# Altium PCB Arduino-DUE-V03.ascii.PcbDoc (part 2 of 3)
Units mil, origin at the board's own origin, x right, y up, seen from the top; angles counter-clockwise.
Board outline 4000 x 2100 mil, 2 copper layers (Top, Bottom), stack 65.748 mil thick; 128 components, 163 nets, 632 pads, 387 vias.
Unrouted connection lines stored in the file: 4.
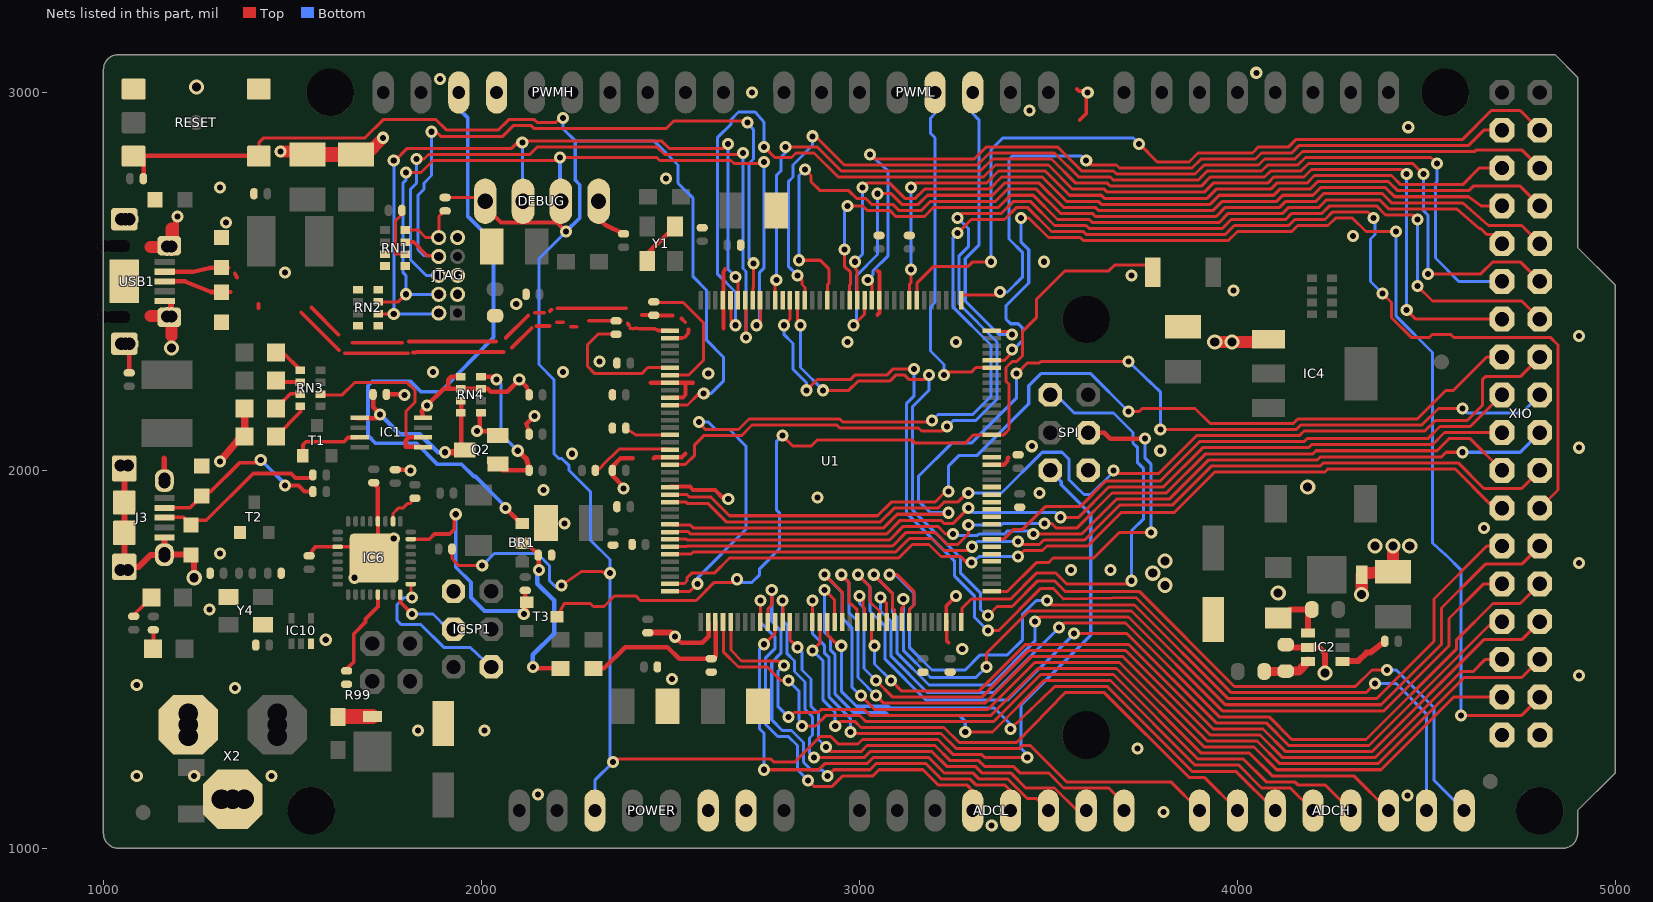
[diagram p2: the nets of this part, all layers, seen from the top]

## Via types
v1: diameter 32, hole 16, Top to Bottom, 323 vias
v2: diameter 40, hole 24, Top to Bottom, 64 vias

## Nets (pads, with @x,y where several pads share a name; then routed paths per layer and width w, separated by ;. In a path a pad name is that pad's centre, name@x,y a point inside that pad or via, vN(x,y) a via of type N, cw(c..) or ccw(c..) an arc to the next point about the centre after c; other vN are vias at no path point) (continued)
AD3: ADCL.4 U1.81 | length 1156.5
  Top w8: U1.81@2738,1600 2738,1655 v1(2738,1656) ; v1(2864,1180) 2880,1164 2928,1164 2956,1192 3036,1192 3052,1208 3168,1208 3208,1168 3284,1168 3300,1152 ADCL.4@3300,1100
  Bottom w8: v1(2738,1656) 2738,1598 2776,1560 2776,1528 2752,1504 2752,1328 2784,1296 2812,1296 2836,1272 2836,1208 v1(2864,1180)
AD4: ADCL.5 U1.82 | length 1274.9
  Top w8: U1.82@2758,1600 2758,1634 2768,1644 v1(2768,1684) ; v1(2916,1192) 2932,1208 3028,1208 3044,1224 3176,1224 3216,1184 3292,1184 3308,1168 3384,1168 3400,1152 ADCL.5@3400,1100 ADCL.5@3400,1096
  Bottom w8: v1(2768,1684) 2768,1600 2792,1576 2792,1516 2768,1492 2768,1340 2796,1312 2820,1312 2852,1280 2852,1228 2872,1208 2900,1208 v1(2916,1192)
AD5: ADCL.6 U1.83 | length 1237
  Top w8: v1(2748,1208) 2892,1208 2908,1224 3020,1224 3036,1240 3184,1240 3224,1200 3300,1200 3316,1184 3392,1184 3444,1132 3468,1132 ADCL.6@3500,1100 ; v1(2748,1540) 2776,1568 2776,1592 U1.83@2778,1600
  Bottom w8: v1(2748,1208) 2748,1304 2736,1316 2736,1528 v1(2748,1540)
AD6: ADCL.7 U1.84 | length 1304.5
  Top w8: v1(2797,1656) 2798,1654 U1.84@2798,1600 ; v1(2880,1240) 3012,1240 3028,1256 3192,1256 3232,1216 3308,1216 3324,1200 3400,1200 3440,1160 3516,1160 3576,1100 ADCL.7@3600,1100
  Bottom w8: v1(2797,1656) 2797,1603 2808,1592 2808,1516 2828,1496 2828,1468 2856,1440 2856,1368 2876,1348 2876,1300 2868,1292 2868,1252 v1(2880,1240)
AD7: ADCL.8 U1.85 | length 1254.4
  Top w8: U1.85@2817,1600 2816,1592 2816,1552 2834,1534 v1(2836,1532) ; v1(2912,1268) 2924,1256 3004,1256 3020,1272 3200,1272 3240,1232 3316,1232 3332,1216 3408,1216 3424,1200 3500,1200 3540,1160 3660,1160 3700,1120 ADCL.8@3700,1100
  Bottom w8: v1(2836,1532) 2848,1520 2848,1472 2872,1448 2872,1376 2892,1356 2892,1288 v1(2912,1268)
AD8: ADCH.1 U1.88 | length 1462.2
  Top w8: U1.88@2876,1600 2876,1652 v1(2876,1656) ; v1(2976,1308) 2980,1304 3216,1304 3256,1264 3424,1264 3432,1272 3452,1272 3548,1176 3824,1176 ADCH.1@3900,1100
  Bottom w8: v1(2876,1656) 2876,1568 2908,1536 2908,1516 2920,1504 2920,1400 2976,1344 v1(2976,1308)
AD9: ADCH.2 U1.89 | length 1592.1
  Top w8: U1.89@2896,1600 2896,1592 2896,1546 2896,1544 v1@2880,1528 ; v1(2936,1324) 2948,1336 2988,1336 3004,1320 3224,1320 3264,1280 3416,1280 3544,1412 3648,1412 3872,1188 3912,1188 ADCH.2@4000,1100 ; v1@2880,1528 v1(2876,1524) v1@2880,1528
  Bottom w8: v1(2876,1524) 2904,1496 2904,1392 2936,1360 v1(2936,1324)
AD10: ADCH.3 U1.90 | length 1581.2
  Top w8: U1.90@2916,1600 2916,1564 2944,1536 v1(2952,1536) ; v1(3400,1316) 3516,1428 3656,1428 3880,1204 3996,1204 ADCH.3@4100,1100
  Bottom w8: v1(2952,1536) 2952,1416 2992,1376 3076,1376 3080,1372 3356,1372 3400,1328 v1(3400,1316)
AD11(TXD3): ADCH.4 U1.91 | length 1903.2
  Top w8: v1(2908,1684) 2934,1658 2934,1602 U1.91@2935,1600 ; v1(3280,1308) 3352,1308 3488,1444 3664,1444 3888,1220 4004,1220 4064,1160 4140,1160 ADCH.4@4200,1100
  Bottom w8: v1(2908,1684) 2908,1572 2924,1556 2924,1524 2936,1512 2936,1408 2984,1360 3068,1360 3076,1352 3264,1352 3280,1336 v1(3280,1308)
AD14(RXD3): U1.92 XIO.33 | length 2463.6
  Top w8: v1(2908,1724) 2955,1678 U1.92@2955,1600 ; v1(3004,1404) 3040,1368 3340,1368 3464,1492 3688,1492 3912,1268 4044,1268 4104,1208 4380,1208 4572,1400 XIO.33@4700.03,1400
  Bottom w8: v1(2908,1724) 2954,1678 2954,1610 2980,1584 2980,1426 v1(3004,1404)
AREF: BR1.1 PWMH.8 | length 1732.4
  Top w12: v1(2064,1900) 2100,1864 BR1.1@2108,1860
  Bottom w10: PWMH.8@1940,2999.96 1940,2956 1964,2932 1964,2672 2032,2604 2032,2352 1892,2208 1840,2208 1812,2236 1712,2236 1700,2224 1700,2092 1720,2072 1828,2072 1884,2016 1948,2016 1980,1984 1984,1984 2056,1912 v1(2064,1900)
AVREF: C19.2 L3.2 U1.75 | length 453.2
  Top w8: C19.2@2607.99,1502 2616,1504 C19.2@2620,1508
  Top w11: C19.2@2620,1508 U1.75@2620,1600
  Top w12: L3.2@2296,1476 2324,1476 2380,1532 2492,1532 2523,1502 C19.2@2607.99,1502
AVREFL: BR1.2 C34.2 JR1.2 L3.1 | length 486.6
  Top w12: JR1.2@2107.99,1802 2108,1809 2119,1809 2151,1776 2151,1731 v1(2152,1736) ; v1(2136,1480) 2140,1476 L3.1@2209,1476
  Bottom w12: v1(2136,1480) 2136,1512 2192,1568 2192,1656 2148,1700 2148,1720 v1(2152,1736)
BD+: J3.P3 R20.2 Z4.2 | length 471
  Top w10: J3.P3@1161,1875 1162,1876 1212,1876 Z4.2@1231.99,1856 1236,1868 1272,1868 1396,1992 1496,1992 1508,1980 1547,1980 R20.2@1555,1988
BD-: J3.P2 R19.2 Z3.2 | length 495.3
  Top w10: J3.P2@1161,1901 1229,1901 1260,1933 1257,1945 1258,1944 1284,1944 1360,2020 1408,2020 v1(1416,2028) ; v1(1480,1960) 1516,1960 1532,1944 R19.2@1555,1944
  Bottom w10: v1(1416,2028) 1480,1964 v1(1480,1960)
BOOST: C42.1 D3.C IC2.1 | length 163.9
  Top w16: D3.C@4108,1610 4130,1622 4140,1632 C42.1@4197,1632 4187,1626 IC2.1@4187,1570
CANRX0: ADCH.7 U1.24 | length 2989.1
  Top w8: v1(2800,2384) 2816,2400 2816,2448 U1.24@2817,2451 ; v1(2860,2212) 2888,2240 2976,2240 2988,2252 3072,2252 3088,2268 v1(3144,2268) ; v1(3340,1576) 3368,1576 3480,1688 3512,1688 3540,1660 3732,1664 3984,1412 4340,1412 v1(4364,1436)
  Bottom w8: v1(2800,2384) 2800,2360 2824,2336 2824,2268 2860,2232 v1(2860,2212) ; v1(3144,2268) 3144,2196 3124,2176 3124,1888 3252,1760 3252,1720 3304,1668 3304,1612 v1(3340,1576) ; v1(4364,1436) 4420,1436 4500,1356 ADCH.7@4500,1100
CANTX0: ADCH.8 U1.23 | length 3011.9
  Top w8: U1.23@2837,2451 2836,2451 2836,2392 v1(2844,2384) ; v1(2904,2212) 2972,2212 2996,2236 3080,2236 3096,2252 3120,2252 3132,2240 3172,2240 v1(3184,2252) ; v1(3340,1616) 3364,1640 3404,1640 3472,1708 3516,1708 3544,1680 3740,1680 3992,1428 4312,1428 4356,1472 v1(4396,1472)
  Bottom w8: v1(2844,2384) 2844,2272 v1(2904,2212) ; v1(3184,2252) 3184,2212 3140,2168 3140,1896 3268,1768 3268,1728 3320,1676 3320,1632 v1(3340,1616) ; v1(4396,1472) 4420,1472 4520,1372 4520,1180 ADCH.8@4600,1100
CANTX1/IO: U1.140 XIO.34 | length 3131.7
  Top w8: U1.140@3351,2291 3383,2291 3404,2312 v1(3404,2320) ; v1(3428,2668) 3448,2668 3500,2616 3584,2616 3592,2608 3976,2608 4000,2632 4144,2632 4160,2648 4240,2648 4260,2668 4304,2668 4340,2632 v1(4420,2632) ; v1(4592,1352) 4752,1352 XIO.34@4800.03,1400
  Bottom w8: v1(3404,2320) 3408,2320 3432,2344 3432,2376 3420,2388 3400,2388 3388,2400 3388,2436 3448,2496 3448,2584 3428,2604 v1(3428,2668) ; v1(4420,2632) 4420,2408 4516,2312 4516,1808 4552,1776 4592,1736 v1(4592,1352)
CMP: C31.2 IC1.5 Q2.3 RN4.3 RN4.4 | length 565.6
  Top w8: IC1.5@1672,2138 IC1.5@1679,2139 ; Q2.3@1952,2048 Q2.3@1957,2054
  Top w12: IC1.5@1672,2138 1722,2138 v1(1732,2148) 1714,2167 C31.2@1714,2201 ; RN4.3@1946,2185 1946,2153 1946,2048 Q2.3@1974,2048
  Top w16: v1(1904,2048) 1946,2048 Q2.3@1952,2048
  Bottom w12: v1(1732,2148) 1784,2096 1837,2096 1885,2048 v1(1904,2048)
D+: R6.1 U1.37 USB1.3 Z1.1 | length 1082.2
  Top w10: Z1.1@1312,2472 1336,2472 ; 1410,2430 1410,2440 ; 1523,2418 1623,2318 ; 1639,2310 1806,2310 ; 1818,2312 1826,2312 ; 1830,2313 2059,2313 ; 2081,2325 2133,2377 ; 2145,2382 2180,2382 ; 2200,2392 2216,2392 ; 2236,2380 2252,2380 ; 2284,2396 R6.1@2364,2396 ; R6.1@2354,2396 2356,2396 R6.1@2364,2396 ; R6.1@2370,2396 R6.1@2364,2396 ; 2387,2389 2390,2384 ; 2394,2376 2400,2375 ; 2406,2376 2412,2376 ; 2418,2375 2458,2375 2468,2371 2468,2370 ; 2469,2370 2494,2370 U1.37@2500,2370
  Top w12: USB1.3@1172,2500 USB1.3@1162,2500 1216,2500 1284,2472 Z1.1@1312,2472
D-: R5.1 U1.38 USB1.2 Z2.1 | length 1115.4
  Top w10: USB1.2@1162,2526 USB1.2@1176,2526 ; Z2.1@1304,2536 Z2.1@1312,2537 ; Z2.1@1312,2536 Z2.1@1331,2536 ; 1347,2521 1354,2510 ; 1550,2431 1622,2359 ; 1659,2338 1790,2338 ; 1808,2341 2039,2341 ; 2064,2350 2124,2410 ; 2142,2417 2166,2417 ; 2181,2422 2185,2425 ; 2201,2429 2383,2429 ; 2424,2411 R5.1@2455,2411 ; U1.38@2500,2350 2531,2350 ; 2506,2410 2456,2410 R5.1@2456,2411 ; 2529,2402 2539,2392 ; 2538,2352 2547,2363 ; 2548,2369 2548,2373 ; R5.1@2455,2411 R5.1@2456,2411 ; R5.1@2455,2411 2456,2408 R5.1@2456,2411
  Top w12: USB1.2@1166,2526 1176,2526 1238,2526 1284,2536 Z2.1@1312,2536 ; Z2.1@1312,2536 1312,2537 Z2.1@1312,2536
DAC0(CANRX1): ADCH.5 U1.76 | length 2093.3
  Top w8: U1.76@2640,1600 2640,1592 2640,1520 2680,1480 2756,1480 2792,1444 v1(2812,1444) ; v1(2848,1324) 2884,1324 2912,1352 3000,1352 3016,1336 3356,1336 3480,1460 3672,1460 3896,1236 4016,1236 4076,1176 4152,1176 4160,1168 4232,1168 ADCH.5@4300,1100 ADCH.5@4296,1104
  Bottom w8: v1(2812,1444) 2840,1416 2840,1340 v1(2848,1324)
DAC1: ADCH.6 U1.77 | length 2196.5
  Top w8: U1.77@2660,1600 2660,1525 2688,1496 2788,1496 v1(2800,1484) ; v1(2812,1348) 2816,1348 2828,1360 2892,1360 2900,1368 3012,1368 3028,1352 3348,1352 3472,1476 3680,1476 3904,1252 4032,1252 4092,1192 4308,1192 ADCH.6@4400,1100
  Bottom w8: v1(2800,1484) 2784,1468 2784,1376 v1(2812,1348)
DTR: IC6.13 R18.1 | length 237.6
  Top w10: R18.1@1643,1469 1642,1473 1662,1493 1662,1567 1693,1599 1693,1607 1726,1640 IC6.13@1726,1672
EEXTINT: U1.25
EMDC: U1.123
EMDIO: U1.127
EN: IC2.4 R10.2 | length 132.7
  Top w16: IC2.4@4278,1495 4279,1496 4320,1496 4342,1518 4352,1518 R10.2@4391,1548
ERASE_CMD: IC6.23 R99.1 T3.3 | length 630.2
  Top w8: v1(2112,1620) 2120,1628 T3.3@2119.99,1650.99
  Top w10: IC6.23@1813,1818 1862,1818 1876,1832 1916,1832 1928,1844 1928,1880 v1(1932,1884)
  Top w12: R99.1@2116,1683 2116,1655 T3.3@2119.99,1650.99
  Bottom w10: v1(1932,1884) 1932,1744 1972,1704 1972,1664 2008,1628 2104,1628 v1(2112,1620)
ERASE_S: ERASE.2 T3.1 U1.130 | length 2389.3
  Top w8: T3.1@2200,1613.01 2219,1648 2288,1648 2296,1640 2324,1640 2352,1668 2408,1668 2420,1656 2568,1656 2616,1704 2668,1704 v1(2676,1712) ; v1(2796,2092) 2824,2064 2872,2064 2888,2080 3140,2080 3148,2072 3280,2072 3302,2094 3351,2094 3382,2094 3396,2108 3396,2228 3388,2236 3388,2272 3404,2288 3416,2288 3432,2304 3432,2368 3468,2404 3468,2452 3544,2528 3660,2528 3676,2544 3756,2544 ERASE.2@3776,2523.99
  Bottom w8: v1(2676,1712) 2680,1712 2688,1704 2716,1704 2736,1724 2736,1740 2788,1792 2788,1888 2780,1896 2780,2076 v1(2796,2092)
ERX_DV: U1.119
ERX_ER: U1.122
ERXD0: U1.120
ERXD1: U1.121
ETX_CLK: U1.113
ETX_EN: U1.114
ETXD0: U1.115
ETXD1: U1.118
FB: IC2.3 R11.1 R12.2 | length 127.5
  Top w24: R12.2@4071,1468 4127,1468 R11.1@4128.01,1469 4162,1469 IC2.3@4187,1495
GATE_CMD: IC1.7 T1.3 | length 188.4
  Top w8: IC1.7@1672,2087 IC1.7@1679,2088
  Top w10: T1.3@1527.01,2038.99 1528,2040 1528,2068 1536,2076 1636,2076 1647,2087 IC1.7@1672,2087
GND: C1.- C2.- C3.- C4.1 C5.1 C6.1 C7.1 C8.1 C9.1 C10.1 C11.- C12.1 C13.1 C14.1 C15.1 C16.1 C17.1 C18.1 C19.1 C21.2 C22.2 C23.2 C24.2 C25.2 C26.2 C27.- C28.2 C29.- C30.1 C31.1 C32.1 C33.- C34.1 C35.- C36.2 C37.2 C38.2 C39.2 C40.2 C41.- D4.P$2 DEBUG.1 IC1.4 IC2.2 IC4.1 IC6.3 IC6.28 IC6.33 IC10.3 ICSP1.6 J3.P5 J3.P$1 J3.P$2 J3.P$3 J3.P$4 J3.P$5 J3.P$6 J3.P$7 J3.P$8 J3.S1 J3.S2 J3.S3 J3.S4 J3.S5 J3.S6 JTAG.3 JTAG.5 JTAG.9 L.C ON.C PC1.- PC2.- POWER.6 POWER.7 PWMH.7 Q2.2 R2.1 R7.1 R8.1 R11.2 R18.2 RESET.1 RESET.2 RN1.1 RN1.2 RN1.7 RN1.8 RN2.1 RN2.4 RN2.5 RN2.8 RN4.1 RN4.2 RN4.5 RN4.7 SPI.6 T2.3 U1.12 U1.33 U1.44 U1.46 U1.54 U1.58 U1.74 U1.106 U1.126 USB1.5 USB1.P$1 USB1.P$2 USB1.P$3 USB1.P$4 USB1.P$5 USB1.P$6 USB1.P$7 USB1.P$8 USB1.P$9 USB1.P$10 USB1.P$11 USB1.S1 USB1.S2 USB1.S3 USB1.S4 X2.1 X2.3 XIO.35 XIO.36 Y1.2 Y1.4 Y4.2 Y4.4 Z1.2 Z2.2 Z3.1 Z4.1 Z5.1 | length 5213.2
  Top w8: RESET.2@1408,3032 RESET.2@1411,3009 ; R2.1@1790,2688 1790,2678 1772,2660 1772,2572 1773,2573 RN1.2@1799,2573 ; U1.33@2640,2451 U1.33@2640,2456 ; v1@3248,1668 v1(3256,1668) ; U1.126@3351,2016 3352,2016 U1.126@3352,2015
  Top w10: USB1.P$10@1174,2406 1180,2409 USB1.P$10@1180,2408 ; C36.2@1543.99,1774 1560,1798 1620,1798 1691,1798 1696,1792 1696,1788 IC6.33@1716,1768 ; IC6.33@1726,1768 IC6.28@1726,1865 ; U1.46@2500,2193 2533,2193 2540,2200 2540,2232 ; U1.106@3231,1598 3231,1575 ; 3236,1544 3231,1550 3231,1575 ; v1(3256,1668) 3230,1642 3230,1574 3231,1575 ; 3575,3010 3580,3004 3596,3004 3600,3000 3600,2944 3583,2927
  Top w11: 2448,2232 2449,2232 2500,2232 2540,2232 2560,2232 ; 2456,2032 2459,2035 2500,2035 2531,2035 2540,2044 ; U1.58@2500,1957 2552,1957 2560,1948 2618,1948 ; U1.74@2601,1596 U1.74@2601,1600 ; 2640,2376 2640,2524 ; U1.33@2640,2451 2640,2505 2640,2524 ; 2644,2532 2640,2524 ; 3048,2412 3053,2417 3053,2451 3053,2524 3048,2528 ; U1.106@3231,1598 U1.106@3231,1600 ; U1.126@3344,2015 3352,2015 3382,2015 3392,2025 3392,2032 3394,2034
  Top w12: C28.2@1067.99,2258 USB1.P$5@1068,2330 ; C30.1@1715,1968 1726,1953 IC6.28@1726,1865 ; C31.1@1749,2201 1791,2201 v1(1796,2200) ; C38.2@1771.99,2002 1802,2002 v1(1812,2000) ; IC1.4@1846,2139 1842,2158 v1(1856,2172) 1900,2216 RN4.2@1946,2216 ; RN4.1@1946,2248 1920,2248 1912,2240 1912,2220 1916,2216 RN4.2@1946,2216 ; RN4.5@1999,2153 1997,2153 1996,2152 1996,2112 v1(1988,2104) 2035,2104 Q2.2@2044,2092 ; C23.2@2127,2096 2119,2123 v1(2140,2144) ; C24.2@2127,2200 2119,2222 v1(2100,2240) 2068,2208 2024,2208 2017,2216 1999,2216 RN4.2@1946,2216 ; DEBUG.1@2310,2712.03 2316,2718 2316,2660 2327,2650 C22.2@2375.99,2626 ; C15.1@2347,2000 2347,2011 2368,2032 2400,2032 ; C15.1@2348,2000 2347,1999 2347,1986 2376,1956 v1(2376,1952) ; Y1.2@2439,2555 2439,2573 Y1.4@2512,2646 ; v1(2512,1560) 2528,1544 2584,1544 2601,1561 U1.74@2601,1596 ; 2618,1948 2638,1928 v1(2653,1924)
  Top w14: 1160,2032 1161,2031 J3.S3@1161,1973
  Top w16: J3.S1@1055,2005 J3.S5@1055,1915 J3.S6@1055,1835 J3.S2@1055,1745 1093,1745 1124,1776 1160,1776 J3.S4@1161,1777 ; J3.P5@1161,1823 J3.S4@1161,1777 ; USB1.P$8@1176,2612 1192,2612 v1@1192,2672 ; USB1.P$10@1179,2420 USB1.5@1179,2448 ; v2(1240,1716) 1240,1764 1232,1777 J3.S4@1161,1777 ; RN2.5@1727,2384 RN2.5@1728,2384 ; C10.1@2440,1571 2502,1571 v1(2512,1560) ; R11.2@4127.99,1539 4135,1532 4187,1532 4216,1532 4232,1516 v2(4232,1464)
  Top w20: v1(1308,2024) 1354,2078 1374,2090 L.C@1374,2164 ; C1.-@2492,1376 C1.-@2504,1389 ; v1@2510,1563 v1(2512,1560)
  Top w24: USB1.P$8@1176,2612 1176,2640 1180,2640
  Top w32: 1124,2591 1180,2591 1180,2640 ; USB1.P$10@1168,2409 1124,2409 USB1.P$10@1180,2408 ; 1180,2356 USB1.P$10@1180,2408 ; USB1.P$10@1180,2412 USB1.P$10@1180,2408 ; v1(1468,2844) 1469,2844 C35.-@1537,2844 ; C27.-@1667.98,2836 1696,2836 v1(1740,2880) ; C29.-@3872,2388 3868,2392 C29.-@3855.98,2380 C29.-@3876,2368 ; v2(3940,2340) v2(3986,2340) 4080,2340 4080,2344 4081,2348 IC4.1@4082,2347 ; v2(4328,1672) 4329,1669 D4.P$2@4329,1724 4334,1728 C41.-@4411.98,1732 v2(4412,1800)
  Top w40: USB1.P$8@1180,2592 1180,2591 1180,2588 USB1.P$8@1184,2588 ; C35.-@1537,2844 C35.-@1539.98,2836 C27.-@1667.98,2836
  other v1: 3350,1060 3804,1096 4450,1140 2150,1142 1088,1192 1240,1192 1444,1192 3736,1264 1832,1312 2008,1312 1348,1424 1088,1432 2504,1448 4904,1457 3272,1528 1588,1552 1280,1632 1664,1716 3560,1736 3664,1736 4904,1755 1308,1780 1768,1820 4652,1848 2220,1860 2889,1928 3476,1940 2164,1948 2240,2044 3796,2052 4904,2060 3456,2064 2600,2256 1872,2260 2216,2260 2312,2288 2968,2340 3256,2340 4904,2356 2092,2440 3990,2476 3720,2516 1480,2524 3488,2552 4306,2620 1324,2656 1196,2672 1308,2748 2488,2772 4452,2908 3450,2952 2716,3000 3604,3000 1890,3036 4050,3052
  other v2: 4108,1676 3808,1696 3776,1728 3808,1760 4364,1800 4456,1800 4186,1956 1180,2324 1246,3014
JTAG_RESET: JTAG.10 R1.1 RN1.4 | length 176.9
  Top w8: RN1.4@1799,2636 1833,2636 1852,2616 JTAG.10@1886.98,2616 ; R1.1@1904,2687 1888,2672 JTAG.10@1888,2617 ; JTAG.10@1886.98,2616 1888,2616 JTAG.10@1888,2617 ; JTAG.10@1886.98,2616 JTAG.10@1888,2617
JTAG_TCK: DEBUG.2 JTAG.4 RN2.7 U1.28 | length 2098.1
  Top w8: RN2.7@1727,2447 1732,2446 1780,2446 v1(1800,2466) ; v1(1800,2788) 1840,2788 1872,2820 2200,2820 v1(2208,2828) 2464,2828 2472,2820 2660,2820 2668,2812 2744,2812 v1(2748,2816) ; v1(2728,2384) 2738,2394 U1.28@2738,2451
  Bottom w8: v1(1800,2788) 1800,2768 1792,2760 1792,2524 1800,2516 v1(1800,2466) JTAG.4@1887.01,2466 ; v1(2728,2384) 2736,2392 2736,2524 2748,2536 v1(2748,2816)
  Bottom w10: v1(2208,2828) 2208,2714 DEBUG.2@2210,2712.01
JTAG_TDI: JTAG.8 RN1.3 U1.29 | length 1847.2
  Top w8: v1(1868,2896) 1880,2896 1892,2884 2056,2884 2084,2912 2132,2912 2140,2904 2488,2904 2508,2924 2700,2924 v1(2704,2920) ; U1.29@2719,2451 2718,2483 2720,2485 v1(2720,2548)
  Top w10: RN1.3@1799,2604 1821,2604 1856,2568 1885,2568 JTAG.8@1886.99,2566
  Bottom w8: v1(1868,2896) 1868,2780 1848,2760 1848,2744 1832,2728 1832,2584 1848,2568 1888,2568 1887,2567 JTAG.8@1886.99,2566 ; v1(2704,2920) 2720,2900 2720,2824 2708,2812 2708,2560 v1(2720,2548)
JTAG_TDO: JTAG.6 U1.30 | length 1845.4
  Top w8: v1(1828,2824) 1848,2824 1860,2836 2128,2836 2148,2856 2464,2856 2484,2836 2688,2836 v1(2692,2840) ; U1.30@2699,2451 2698,2449 2698,2440 2700,2440 v1(2700,2352)
  Bottom w8: v1(1828,2824) 1828,2760 1812,2744 1812,2557 1853,2516 JTAG.6@1887,2516 ; v1(2692,2840) 2692,2534 2700,2526 v1(2700,2352)
JTAG_TMS: DEBUG.3 JTAG.2 RN2.6 U1.31 | length 2070.8
  Top w8: RN2.6@1727,2416 1732,2414 v1(1768,2414) ; v1(1768,2820) 1772,2820 1804,2852 2080,2852 2096,2868 v1(2108,2868) 2112,2872 2476,2872 2496,2852 2640,2852 v1(2652,2864) ; v1(2672,2512) 2679,2505 2679,2457 U1.31@2679,2451
  Bottom w8: v1(1768,2820) v1(1768,2414) 1886,2414 JTAG.2@1887.02,2416 ; v1(2108,2868) 2108,2714 DEBUG.3@2110,2711.99 ; v1(2652,2864) 2652,2532 v1(2672,2512) ; JTAG.2@1887.02,2416 1888,2416 1888,2415 JTAG.2@1887.02,2416
L13: IC1.1 IC1.2 RN3.6 | length 523.3
  Top w8: RN3.6@1574,2203 1583,2203 1588,2200 1632,2200 1664,2232 1804,2232 1824,2212 1824,2180 1800,2156 1800,2095 1808,2088 ; IC1.1@1840,2062 IC1.1@1846,2062
  Top w12: IC1.1@1840,2062 1800,2062 1800,2080 1808,2088 IC1.2@1846,2088
MASTER-RESET: C20.1 DEBUG.4 POWER.3 R1.2 R23.2 RESET.3 RESET.4 SPI.5 U1.47 | length 7409.2
  Top w8: 1360,2832 1411,2832 1412,2834 1412,2868 1424,2880 1692,2880 1740,2928 1880,2928 1908,2900 2044,2900 2072,2928 2140,2928 2148,2920 2196,2920 2208,2932 v1(2216,2932) ; R1.2@1903.99,2722 DEBUG.4@2001,2722 ; R23.2@1922,1792 1922,1767 1940,1748 v1(2002,1748) ; v1(2212,1696) 2264,1732 2320,1732 2324,1728 v1(2340,1728) ; v1(2348,1228) 2356,1236 2766,1236 2774,1228 2828,1228 2896,1296 2924,1296 2944,1276 2996,1276 3008,1288 3208,1288 3248,1248 3324,1248 3332,1240 v1(3444,1240) ; U1.47@2500,2173 2545,2173 2576,2204 v1(2588,2204) ; SPI.5@3504,2000 SPI.5@3505,2000
  Top w10: DEBUG.4@2001,2722 DEBUG.4@2010,2711.97 2010,2698 2052,2656 2200,2656 v1(2224,2632)
  Top w12: RESET.3@1080,2832 RESET.3@1100,2832 ; C20.1@1106,2772 1106,2826 RESET.3@1100,2832 ; RESET.4@1411,2832 1411,2836 1396,2836 RESET.4@1396,2832 ; RESET.4@1412,2832 RESET.4@1396,2832 ; RESET.3@1100,2832 1156,2832 1360,2832 RESET.4@1396,2832
  Bottom w8: v1(2002,1748) 2034,1780 2148,1780 2180,1748 2180,1708 2196,1692 2200,1692 v1(2212,1696) ; v1(2216,2932) 2216,2904 2248,2872 2456,2872 2520,2808 2520,2760 2560,2720 2560,2512 2596,2476 2596,2344 2640,2300 2640,2236 2608,2204 v1(2588,2204) ; v1(2224,2632) 2152,2560 2152,2280 2192,2240 2192,2044 2204,2032 2212,2032 2232,2012 2232,2000 2288,1944 2288,1816 2340,1764 v1(2340,1728) 2340,1236 v1(2348,1228) 2300,1180 POWER.3@2300,1100 ; v1(3444,1240) 3444,1248 3428,1264 3428,1380 3612,1564 3612,1884 3534,1962 3534,1970 3504,2000 SPI.5@3505,2000
  Bottom w10: v1(2224,2632) 2260,2668 2260,2756 2248,2768 2248,2872
MISO: SPI.1 U1.108 | length 1215.3
  Top w8: U1.108@3270,1600 3272,1636 3296,1660 3400,1660 3468,1728 3520,1728 3548,1700 3712,1700 v1(3720,1708)
  Bottom w8: SPI.1@3504,2200 SPI.1@3505,2200 3520,2200 3568,2152 3672,2152 3724,2100 3724,2072 3736,2060 3736,2020 3752,2004 3752,1872 3720,1840 v1(3720,1708)
MISO2: IC6.17 ICSP1.1 | length 425.5
  Top w8: IC6.17@1813,1700 1813,1668 v1(1816,1664)
  Bottom w8: v1(1816,1664) 1796,1664 1776,1644 1776,1604 1788,1592 1840,1592 1900,1532 1970,1532 ICSP1.1@2026.03,1480.02
MOSI: SPI.4 U1.109 | length 902.7
  Top w8: U1.109@3351,1681 3352,1680 3392,1680 3468,1756 3500,1756 3512,1768 3620,1768 3688,1836 v1(3772,1836) ; SPI.4@3604,2100 SPI.4@3605,2100 3605,2101 SPI.4@3604,2100
  Top w12: SPI.4@3604,2100 3648,2100 3664,2084 v1(3756,2084)
  Bottom w8: v1(3756,2084) 3756,2032 3772,2016 v1(3772,1836)
MOSI2: IC6.16 ICSP1.4 | length 191.1
  Top w10: IC6.16@1785,1672 1785,1652 v1(1816,1620)
  Bottom w8: v1(1816,1620) 1872,1620 1912,1580 ICSP1.4@1926,1579.98
N$1: IC6.26 R21.1 | length 96.3
  Top w8: IC6.26@1766,1865 1766,1886 1780,1900 1792,1900 1804,1912 1810,1912 R21.1@1824,1927
N$2: L.A RN3.3 | length 80.5
  Top w10: L.A@1457,2164 1495,2203 RN3.3@1521,2203
N$3: ON.A RN3.4 | length 107.2
  Top w10: ON.A@1457,2090 1521,2155 RN3.4@1521,2171
N$4: R15.2 RX1.A | length 73
  Top w10: R15.2@1079.99,1614 1080,1618 1127,1664 1128,1664 RX1.A@1127,1666
N$5: R8.2 U1.51 | length 123.6
  Top w8: R8.2@2382,2112 2408,2094 U1.51@2500,2094
N$6: Q2.1 R3.2 RN4.8 | length 417.1
  Top w8: RN4.8@1999,2248 RN4.8@2000,2248
  Top w11: Q2.1@2044,2017 2040,2016 2056,2000 Q2.1@2068,2000
  Top w12: RN4.8@2000,2248 2032,2248 v1(2040,2240) ; Q2.1@2068,2000 2127,2000 R3.2@2128,2000
  Top w14: v1(2096,2052) 2119,2030 R3.2@2127,2000
  Bottom w8: v1(2040,2240) 2052,2228 2052,2096 v1(2096,2052)
N$7: R4.1 U1.53 | length 221.9
  Top w8: R4.1@2302,2000 2308,2000 2320,2012 2320,2014 2364,2056 2496,2056 U1.53@2500,2055
N$10: D5.P$2 L6.1 | length 92.2
  Top w40: L6.1@1620,1348 1622,1349 D5.P$2@1711.98,1349
N$11: R5.2 U1.43 | length 383.2
  Top w8: R5.2@2455.99,2446 R5.2@2447,2444 ; U1.43@2500,2252 2548,2252 2588,2292 2588,2390 2534,2444 R5.2@2447,2444 ; R5.2@2446,2444 R5.2@2447,2444 ; R5.2@2446,2444 R5.2@2447,2444 ; R5.2@2446,2444 R5.2@2447,2444 ; R5.2@2446,2444 R5.2@2447,2444 ; R5.2@2446,2444 R5.2@2447,2444 ; R5.2@2446,2444 R5.2@2447,2444 ; R5.2@2446,2444 R5.2@2447,2444 ; R5.2@2446,2444 R5.2@2447,2444
N$12: R6.2 U1.42 | length 378.9
  Top w8: R6.2@2356,2361 2309,2361 2280,2332 2280,2276 2300,2256 2424,2256 2440,2272 2496,2272 U1.42@2500,2272
N$14: R14.2 TX1.A | length 51.2
  Top w10: TX1.A@1131,1528 1132,1530 R14.2@1132,1579
N$54: RN3.1 RX.A | length 83.7
  Top w10: RX.A@1457,2312 1472,2314 RN3.1@1521,2266
N$55: RN3.2 TX.A | length 52
  Top w10: TX.A@1469,2234 RN3.2@1521,2234
PIN22: U1.1 XIO.3 | length 1885.9
  Top w8: U1.1@3270,2451 3268,2464 3364,2464 v1(3372,2472) ; v1(3600,2820) 3612,2808 3680,2808 3688,2800 3880,2800 3904,2824 4048,2824 4064,2840 4144,2840 4164,2860 4612,2860 4652,2900 XIO.3@4699.97,2900
  Bottom w8: v1(3372,2472) 3392,2472 3432,2512 3432,2576 3396,2612 3396,2824 3404,2832 3588,2832 v1(3600,2820)
PIN23: U1.7 XIO.4 | length 2129.2
  Top w8: U1.7@3152,2451 3152,2456 3152,2495 3197,2540 3288,2540 3300,2552 v1(3348,2552) ; v1(3740,2864) 3788,2816 3872,2816 3896,2840 4040,2840 4056,2856 4136,2856 4156,2876 4596,2876 4672,2952 4748,2952 XIO.4@4799.97,2900
  Bottom w8: v1(3348,2552) 3348,2848 3380,2880 3724,2880 v1(3740,2864)
PIN24: U1.8 XIO.5 | length 1963.7
  Top w8: U1.8@3132,2451 3132,2492 3136,2496 v1(3136,2532) ; v1(3136,2748) 3148,2760 3336,2760 3368,2792 3492,2792 3556,2728 3640,2728 3648,2720 3920,2720 3944,2744 4088,2744 4104,2760 4184,2760 4204,2780 4408,2780 4432,2756 4596,2756 4640,2800 XIO.5@4699.98,2800
  Bottom w8: v1(3136,2532) v1(3136,2748)
PIN25: U1.13 XIO.6 | length 2299.6
  Top w8: v1(3022,2504) 3033,2493 3033,2455 U1.13@3034,2451 ; v1(3028,2836) 3040,2824 3304,2824 3336,2856 3524,2856 3588,2792 3672,2792 3680,2784 3888,2784 3912,2808 4056,2808 4072,2824 4152,2824 4172,2844 4628,2844 4632,2848 4752,2848 XIO.6@4799.98,2800
  Bottom w8: v1(3022,2504) 3036,2518 3036,2528 3076,2568 3076,2792 v1(3028,2836)
PIN26: U1.14 XIO.7 | length 2213.3
  Top w8: v1(2984,2384) 3014,2414 U1.14@3014,2451 ; v1(3048,2732) 3084,2732 3112,2704 3156,2704 3180,2728 3352,2728 3384,2760 3476,2760 3540,2696 3624,2696 3632,2688 3936,2688 3960,2712 4104,2712 4120,2728 4200,2728 4220,2748 4392,2748 4416,2724 4612,2724 4644,2700 XIO.7@4699.98,2700
  Bottom w8: v1(2984,2384) 2992,2392 2992,2515 3048,2571 v1(3048,2732)
PIN27: U1.15 XIO.8 | length 2237
  Top w8: v1(2988,2552) 2988,2535 2994,2530 2994,2451 U1.15@2994,2450 ; v1(3008,2748) 3020,2760 3080,2760 3120,2720 3148,2720 3172,2744 3344,2744 3376,2776 3484,2776 3548,2712 3632,2712 3640,2704 3928,2704 3952,2728 4096,2728 4112,2744 4192,2744 4212,2764 4400,2764 4424,2740 4612,2740 4624,2752 4748,2752 XIO.8@4799.98,2700
  Bottom w8: v1(2988,2552) 3008,2572 v1(3008,2748)
PIN28: U1.16 XIO.9 | length 2132.2
  Top w8: v1(2960,2584) 2960,2540 2977,2524 2976,2520 2976,2492 2974,2490 2974,2449 U1.16@2975,2451 ; v1(2968,2700) 3008,2700 3020,2688 3080,2688 3096,2672 3172,2672 3196,2696 3368,2696 3400,2728 3460,2728 3524,2664 3608,2664 3616,2656 3952,2656 3976,2680 4120,2680 4136,2696 4216,2696 4236,2716 4376,2716 4400,2692 4580,2692 4640,2640 4644,2640 4660,2624 4676,2624 XIO.9@4699.98,2600
  Bottom w8: v1(2960,2584) 2960,2692 v1(2968,2700)
PIN29: U1.19 XIO.10 | length 2547.7
  Top w8: v1(2840,2556) 2896,2556 2920,2532 2920,2496 2916,2492 U1.19@2916,2451 ; v1(2856,2796) 2872,2780 2872,2764 2896,2740 2972,2740 2992,2720 3016,2720 3032,2704 3088,2704 3104,2688 3164,2688 3188,2712 3360,2712 3392,2744 3468,2744 3532,2680 3616,2680 3624,2672 3944,2672 3968,2696 4112,2696 4128,2712 4208,2712 4228,2732 4384,2732 4408,2708 4596,2708 4664,2648 4752,2648 XIO.10@4799.98,2600
  Bottom w8: v1(2840,2556) 2840,2780 v1(2856,2796)
PIN30: U1.22 XIO.11 | length 2698.7
  Top w8: v1(2836,2516) 2848,2504 2848,2492 2856,2484 U1.22@2856,2448 ; v1(2876,2884) 2884,2884 2960,2808 3312,2808 3344,2840 3516,2840 3580,2776 3664,2776 3672,2768 3896,2768 3920,2792 4064,2792 4080,2808 4160,2808 4180,2828 4512,2828 v1(4528,2812) ; U1.22@2856,2448 2857,2451 2857,2449 U1.22@2856,2448
  Bottom w8: v1(2836,2516) 2812,2540 2812,2764 2824,2776 2824,2808 2876,2860 v1(2876,2884) ; v1(4528,2812) 4528,2764 4524,2760 4524,2562 4586,2500 XIO.11@4699.99,2500
PIN31: U1.26 XIO.12 | length 2810
  Top w8: U1.26@2778,2451 2777,2461 2777,2501 v1(2780,2504) ; v1(2804,2856) 2888,2856 2952,2792 3320,2792 3352,2824 3508,2824 3572,2760 3656,2760 3664,2752 3904,2752 3928,2776 4072,2776 4088,2792 4168,2792 4188,2812 4464,2812 v1(4492,2784) ; v1(4504,2520) 4644,2520 4676,2552 4748,2552 XIO.12@4799.99,2500
  Bottom w8: v1(2780,2504) 2780,2780 2792,2792 2792,2828 2804,2840 v1(2804,2856) ; v1(4492,2784) 4492,2688 4504,2676 v1(4504,2520)
PIN32: U1.32 XIO.13 | length 3265.6
  Top w8: U1.32@2660,2451 2660,2397 v1(2672,2384) ; v1(2748,2856) 2776,2828 2820,2828 2832,2840 2880,2840 2944,2776 3328,2776 3360,2808 3500,2808 3564,2744 3648,2744 3656,2736 3912,2736 3936,2760 4080,2760 4096,2776 4176,2776 4196,2796 4436,2796 v1(4448,2784) ; v1(4448,2424) 4472,2400 XIO.13@4699.99,2400 XIO.13@4704,2400
  Bottom w8: v1(2672,2384) 2672,2472 2624,2520 2624,2880 2660,2916 2660,2928 2680,2948 2724,2948 2748,2920 v1(2748,2856) ; v1(4448,2424) v1(4448,2784)
PIN33: U1.55 XIO.14 | length 3348.1
  Top w8: U1.55@2500,2016 2504,2016 2540,2016 2564,2040 2564,2068 2588,2092 2688,2092 2716,2120 2940,2120 2948,2112 3156,2112 3164,2104 3220,2104 v1(3232,2116) ; v1(3260,2668) 3272,2680 3376,2680 3408,2712 3452,2712 3516,2648 3600,2648 3608,2640 3960,2640 3984,2664 4128,2664 4144,2680 4224,2680 4244,2700 4368,2700 4392,2676 4464,2676 v1(4476,2664) ; v1(4476,2488) 4516,2448 4752,2448 XIO.14@4799.99,2400
  Bottom w8: v1(3232,2116) 3248,2132 3308,2132 3364,2188 3364,2340 3264,2440 3264,2568 3288,2592 3288,2640 v1(3260,2668) ; v1(4476,2488) v1(4476,2664)
PIN34: U1.59 XIO.15 | length 2581.2
  Top w8: U1.59@2500,1937 2504,1936 2544,1936 2550,1930 2606,1930 2656,1880 3048,1880 3084,1916 3200,1916 3228,1944 v1(3236,1944) ; v1(3712,2156) 3740,2156 3748,2164 3888,2164 3928,2124 4148,2124 4160,2136 4476,2136 4552,2212 4572,2212 4660,2300 XIO.15@4699.99,2300
  Bottom w8: v1(3236,1944) 3236,2012 3264,2040 3312,2040 3448,2176 3448,2224 3480,2256 3612,2256 v1(3712,2156)
PIN35: U1.60 XIO.16 | length 2676.1
  Top w8: U1.60@2500,1917 2540,1917 2544,1912 2600,1912 2648,1864 3056,1864 3092,1900 3208,1900 3224,1916 3260,1916 3284,1940 v1(3288,1940) ; v1(3672,2000) 3680,1992 3792,1992 3892,2092 4164,2092 4176,2104 4496,2104 4524,2132 4608,2132 4648,2172 4648,2240 4656,2248 4748,2248 XIO.16@4799.99,2300
  Bottom w8: v1(3288,1940) 3376,1940 3484,2048 3536,2048 3554,2030 3554,1976 3575,1955 3594,1936 3612,1936 3672,1996 v1(3672,2000)
PIN36: U1.116 XIO.17 | length 1508.2
  Top w8: U1.116@3351,1819 3351,1818 3354,1818 3382,1818 3408,1844 3432,1844 3492,1904 3584,1904 3652,1972 3796,1972 3900,2076 4176,2076 4184,2084 4504,2084 4536,2116 4616,2116 XIO.17@4700,2200
PIN37: U1.63 XIO.18 | length 2901.1
  Top w8: U1.63@2500,1858 2504,1856 2552,1856 2560,1848 3064,1848 3100,1884 3232,1884 v1(3236,1888) ; v1(3416,2256) 3444,2284 3476,2284 3480,2288 v1(3712,2288) ; v1(3796,2108) 4156,2108 4168,2120 4488,2120 4532,2164 v1(4596,2164)
  Bottom w8: v1(3236,1888) 3188,1888 3156,1920 3156,1984 3244,2072 3296,2072 3416,2192 v1(3416,2256) ; v1(3712,2288) 3796,2208 v1(3796,2108) ; v1(4596,2164) 4608,2152 4752,2152 XIO.18@4800,2200
PIN38: U1.64 XIO.19 | length 2340.3
  Top w8: U1.64@2500,1838 2547,1838 2552,1832 3072,1832 3108,1868 3216,1868 3224,1860 3248,1860 v1(3288,1900) ; v1(3532,1876) 3580,1876 3660,1956 3804,1956 3908,2060 4188,2060 4196,2068 4516,2068 4548,2100 XIO.19@4700,2100
  Bottom w8: v1(3288,1900) 3300,1888 3520,1888 v1(3532,1876)
PIN39: U1.65 XIO.20 | length 2445.8
  Top w8: U1.65@2500,1819 2542,1819 2544,1816 3080,1816 3116,1852 3208,1852 3228,1832 v1(3248,1832) ; v1(3460,1832) 3588,1832 3680,1924 3820,1924 3924,2028 4212,2028 4220,2036 4540,2036 4552,2048 v1(4596,2048)
  Bottom w8: v1(3248,1832) 3252,1832 3256,1828 3312,1828 3316,1832 3384,1832 3392,1840 3452,1840 v1(3460,1832) ; v1(4596,2048) 4748,2048 XIO.20@4800,2100
PIN40: U1.66 XIO.21 | length 2403.4
  Top w8: U1.66@2500,1799 2543,1799 2544,1800 3088,1800 3124,1836 3200,1836 3232,1804 3260,1804 3288,1832 v1(3288,1856) ; v1(3490,1860) 3508,1860 3520,1848 3576,1848 3668,1940 3812,1940 3916,2044 4200,2044 4208,2052 4528,2052 4560,2084 4616,2084 XIO.21@4700.01,2000
  Bottom w8: v1(3288,1856) 3376,1856 3380,1860 v1(3490,1860)
PIN41: U1.67 XIO.22 | length 2481
  Top w8: U1.67@2500,1779 2555,1779 2560,1784 3096,1784 3132,1820 3192,1820 3224,1788 3288,1788 v1(3298,1798) ; v1(3420,1812) 3428,1804 3476,1804 3488,1816 3596,1816 3688,1908 3828,1908 3932,2012 4220,2012 4228,2020 4584,2020 4652,1952 4752,1952 XIO.22@4800.01,2000
  Bottom w8: v1(3298,1798) 3312,1812 v1(3420,1812)
PIN42: U1.71 XIO.23 | length 2412
  Top w8: U1.71@2500,1701 2537,1701 2544,1708 2544,1716 2556,1728 2616,1728 2656,1768 3104,1768 3140,1804 3184,1804 3216,1772 3268,1772 3284,1756 v1(3296,1756) ; v1(3420,1772) 3436,1788 3484,1788 3496,1800 3604,1800 3692,1888 3832,1888 3940,1996 4232,1996 4240,2004 4576,2004 4668,1912 4688,1912 XIO.23@4700.01,1900
  Bottom w8: v1(3296,1756) 3316,1772 v1(3420,1772)
PIN43: U1.72 XIO.24 | length 4370.6
  Top w8: U1.72@2500,1681 2496,1680 2552,1680 v1(2572,1700) ; v1(2576,2128) 2592,2108 2680,2108 2708,2136 2948,2136 2956,2128 3188,2128 v1(3192,2132) ; v1(3260,2628) 3296,2664 3384,2664 3416,2696 3444,2696 3508,2632 3592,2632 3600,2624 3968,2624 3992,2648 4136,2648 4152,2664 4232,2664 4252,2684 4344,2684 v1(4360,2668) ; v1(4384,2468) 4408,2444 4408,2404 4460,2352 4508,2352 4516,2360 4564,2360 4572,2352 4828,2352 4848,2332 4848,1948 XIO.24@4800.01,1900
  Bottom w8: v1(2572,1700) 2572,1716 2700,1844 2700,2064 2656,2108 2620,2108 2600,2128 v1(2576,2128) ; v1(3192,2132) 3208,2148 3300,2148 3348,2196 3348,2332 3248,2432 3248,2616 v1(3260,2628) ; v1(4360,2668) 4364,2664 4364,2624 4352,2612 4352,2500 v1(4384,2468)
PIN44: U1.101 XIO.25 | length 2449.6
  Top w8: v1(3080,1724) 3100,1724 3144,1680 3144,1644 3132,1632 U1.101@3132,1600 ; v1(3496,1656) 3508,1644 3728,1644 3976,1396 4368,1396 4520,1548 4520,1660 4660,1800 XIO.25@4700.01,1800
  Bottom w8: v1(3080,1724) 3096,1724 3144,1676 3144,1644 3132,1632 3132,1532 3192,1472 3280,1472 3320,1512 3392,1512 3432,1552 3432,1620 3468,1656 v1(3496,1656)
PIN45: U1.100 XIO.26 | length 2339.4
  Top w8: U1.100@3113,1600 3112,1600 3112,1636 3116,1640 v1(3116,1660) ; v1(3336,1480) 3336,1516 3448,1628 3720,1628 3968,1380 4380,1380 4540,1540 4540,1636 4656,1752 4752,1752 XIO.26@4800.01,1800
  Bottom w8: v1(3116,1660) 3116,1524 3188,1452 3308,1452 v1(3336,1480)
PIN46: U1.99 XIO.27 | length 2404.7
  Top w8: v1(3038,1724) 3088,1674 3088,1636 3093,1632 U1.99@3093,1600 ; v1(3464,1600) 3476,1612 3712,1612 3960,1364 4388,1364 4560,1536 4560,1608 4652,1700 XIO.27@4700.02,1700
  Bottom w8: v1(3038,1724) 3088,1674 3088,1624 3100,1612 3100,1516 3184,1432 3348,1432 3464,1548 v1(3464,1600)
PIN47: U1.98 XIO.28 | length 2383.5
  Top w8: v1(3056,1664) 3072,1648 3072,1600 U1.98@3073,1600 ; v1(3528,1584) 3540,1596 3704,1596 3952,1348 4084,1348 4144,1288 4340,1288 4580,1528 4580,1552 4676,1648 4748,1648 XIO.28@4800.02,1700
  Bottom w8: v1(3056,1664) 3056,1628 3084,1600 3084,1508 3180,1412 3356,1412 v1(3528,1584)
PIN48: U1.97 XIO.29 | length 2409.8
  Top w8: v1(2996,1724) 3028,1692 3028,1652 3053,1628 U1.97@3053,1600 ; v1(3568,1568) 3708,1568 3944,1332 4076,1332 4136,1272 4348,1272 4676,1600 XIO.29@4700.02,1600
  Bottom w8: v1(2996,1724) 3028,1692 3028,1628 3068,1588 3068,1500 3176,1392 3392,1392 v1(3568,1568)
PIN49: U1.96 XIO.30 | length 2216.9
  Top w8: U1.96@3034,1600 3032,1592 3032,1544 v1(3040,1536) ; v1(3084,1444) 3112,1416 3316,1416 3440,1540 3712,1540 3936,1316 4068,1316 4128,1256 4356,1256 4652,1552 4752,1552 XIO.30@4800.02,1600
  Bottom w8: v1(3040,1536) 3040,1488 v1(3084,1444)
PIN50: U1.95 XIO.31 | length 2266.6
  Top w8: v1(3000,1668) 3010,1659 3010,1639 3013,1635 U1.95@3014,1600 ; v1(3044,1444) 3088,1400 3324,1400 3448,1524 3704,1524 3928,1300 4060,1300 4120,1240 4364,1240 4592,1468 4624,1468 4656,1500 XIO.31@4700.02,1500
  Bottom w8: v1(3000,1668) 3000,1648 3012,1636 3012,1476 v1(3044,1444)
PIN51: U1.94 XIO.32 | length 2548.4
  Top w8: v1(2952,1724) 2972,1704 2972,1652 2994,1631 2994,1600 U1.94@2993,1600 ; v1(3044,1404) 3064,1384 3332,1384 3456,1508 3696,1508 3920,1284 4052,1284 4112,1224 4372,1224 4600,1452 4752,1452 XIO.32@4800.02,1500
  Bottom w8: v1(2952,1724) 2972,1704 2972,1624 2996,1600 2996,1452 v1(3044,1404)
PWM2: PWML.3 U1.144 | length 808.6
  Top w8: U1.144@3351,2370 3344,2368 3396,2368 v1(3404,2360)
  Bottom w8: PWML.3@3300,3004 PWML.3@3300,3000.03 3300,2944 3316,2928 3316,2596 3280,2560 3280,2448 3368,2360 v1(3404,2360)
PWM3: PWML.4 U1.139 | length 913.1
  Top w8: v1(3224,2252) 3232,2260 3296,2260 3308,2272 3344,2272 U1.139@3351,2272
  Bottom w8: PWML.4@3200,3000.01 3200,2944 3188,2932 3188,2892 3200,2880 3200,2444 3188,2432 3188,2316 3224,2280 v1(3224,2252)